# Altium PCB 4G_V4.2_5X4.PcbDoc (part 1 of 5) (continued)
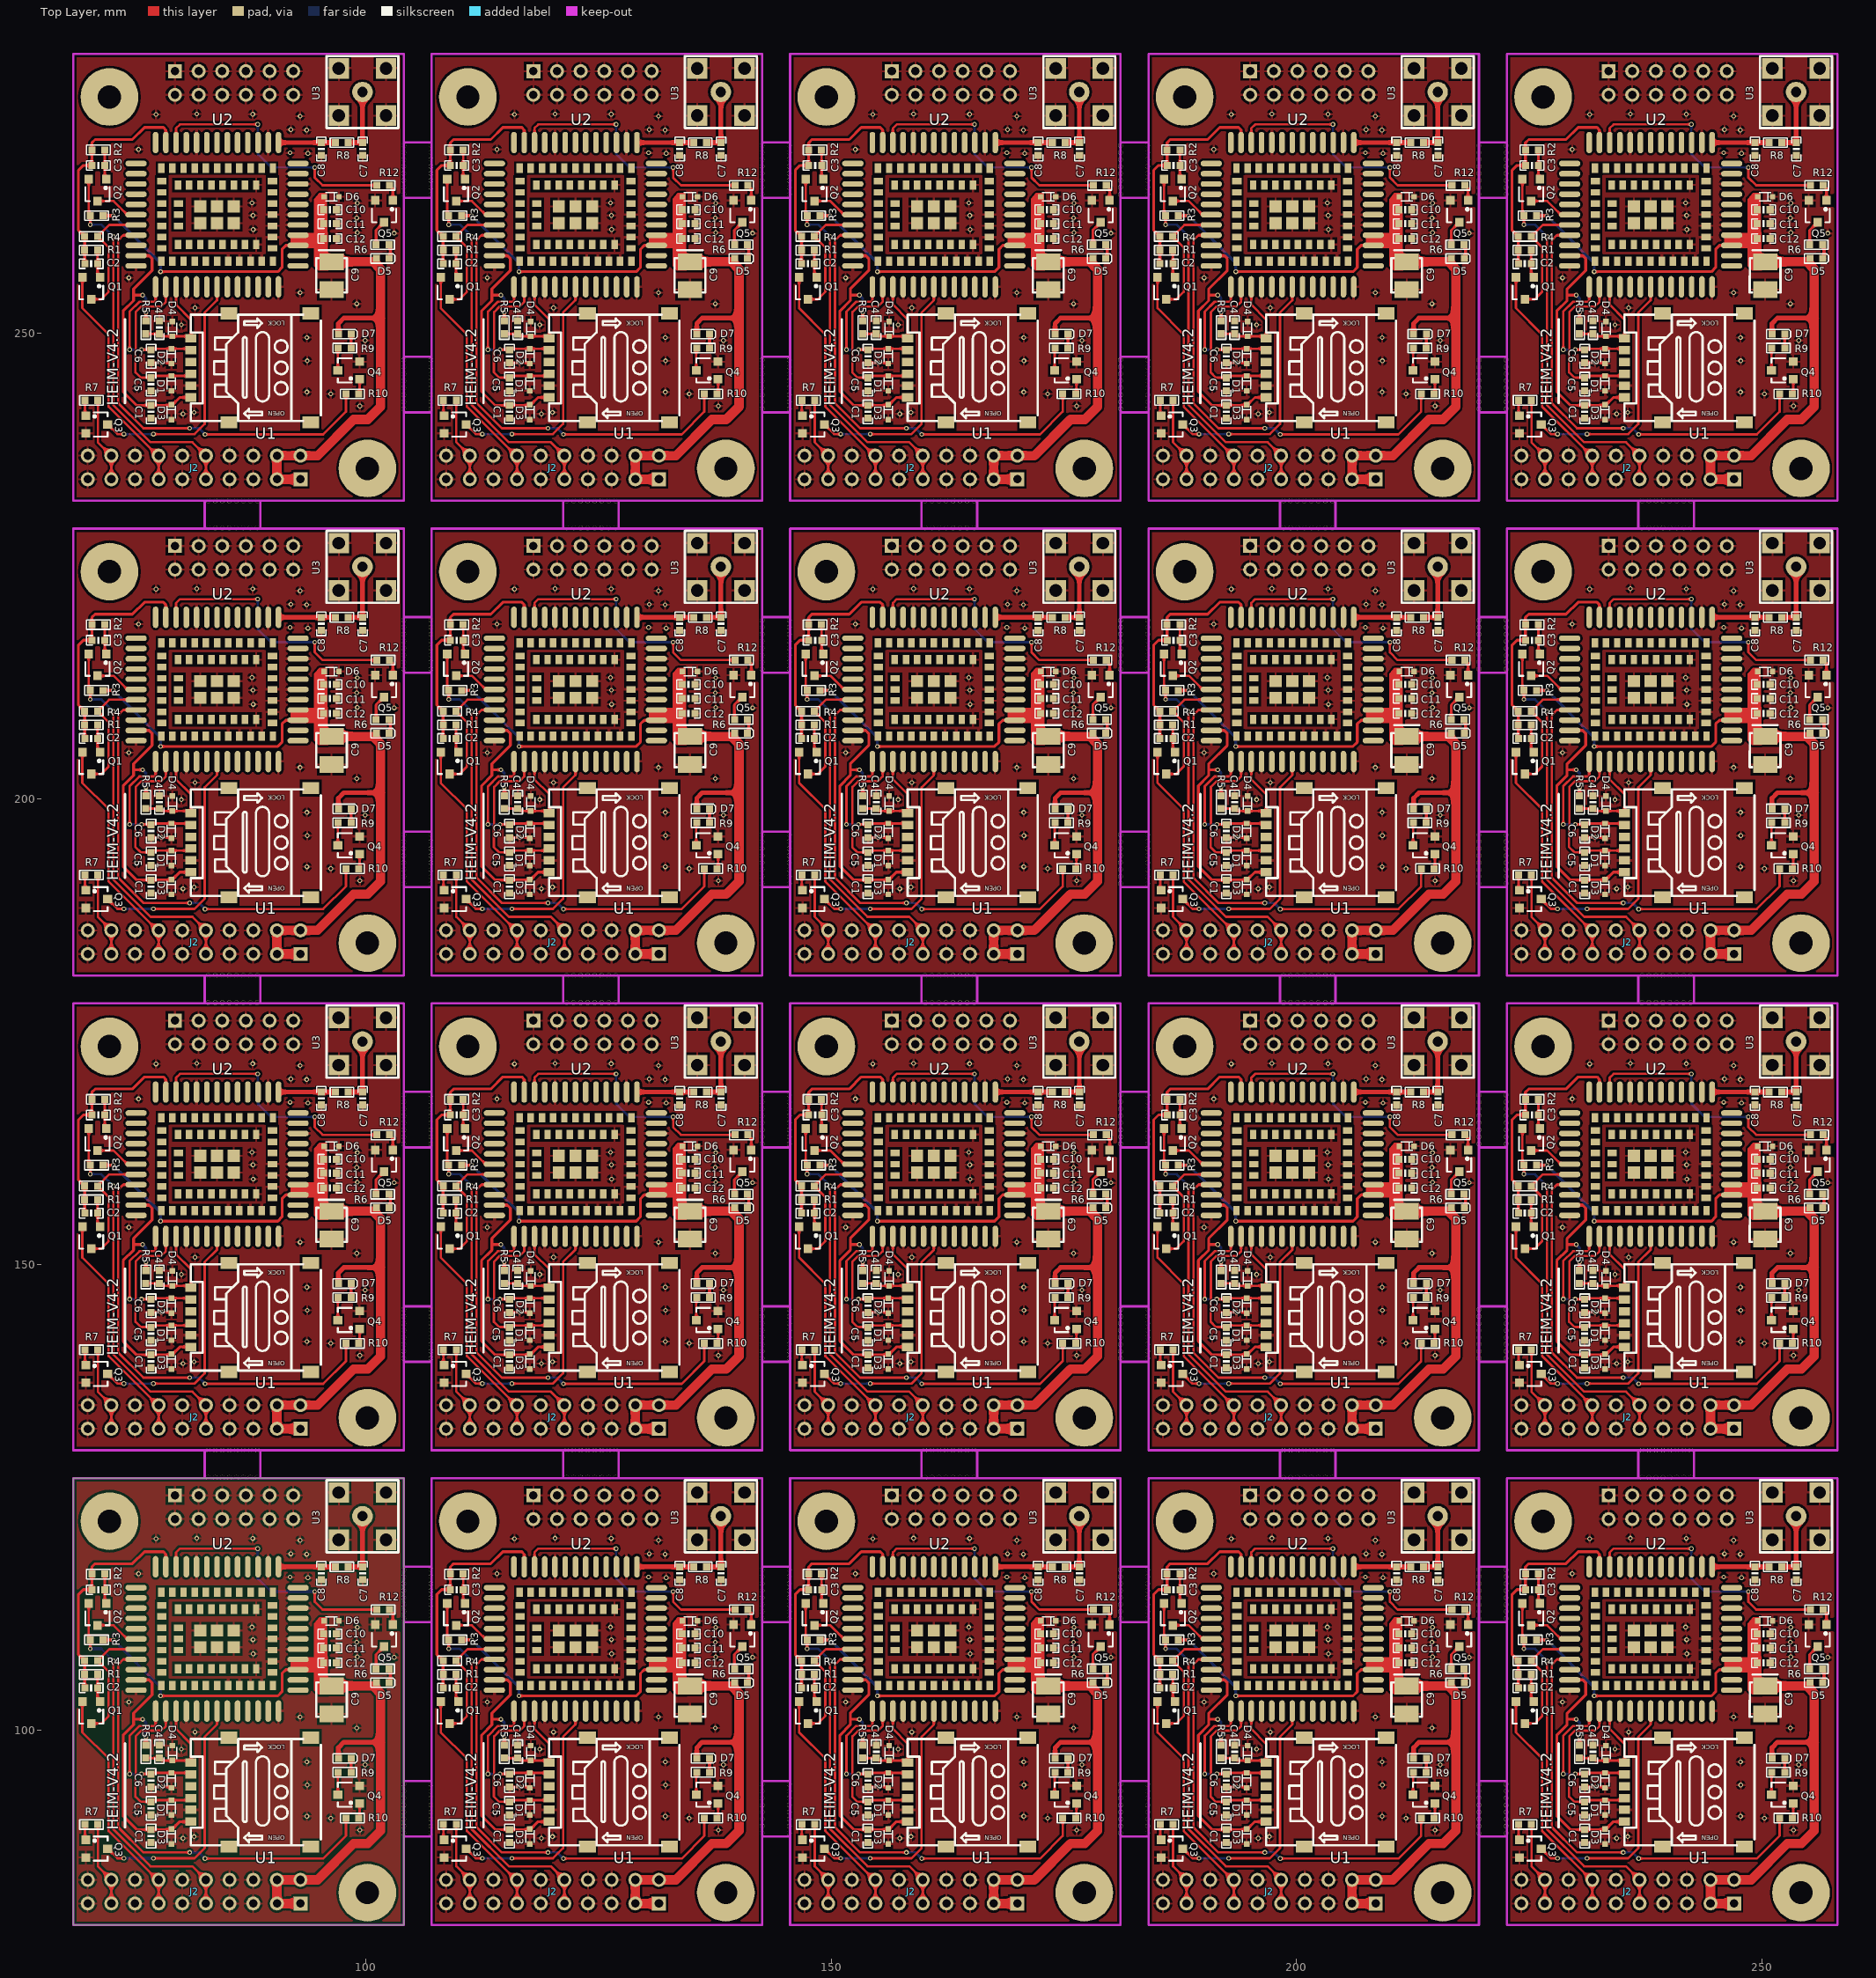
[diagram p0: Top Layer view]
## Components (designator, comment, footprint, x,y, rotation, side; value= is the part's Value field where it differs from the comment) (continued)
D2 "PESDNC5D5VB" SOD-523 79.121,94.566 r270 top
D3 "PESDNC5D5VB" SOD-523 233.121,241.546 r270 top
D3 "PESDNC5D5VB" SOD-523 233.121,190.546 r270 top
D3 "PESDNC5D5VB" SOD-523 233.121,139.546 r270 top
D3 "PESDNC5D5VB" SOD-523 233.121,88.546 r270 top
D3 "PESDNC5D5VB" SOD-523 194.621,241.546 r270 top
D3 "PESDNC5D5VB" SOD-523 194.621,190.546 r270 top
D3 "PESDNC5D5VB" SOD-523 194.621,139.546 r270 top
D3 "PESDNC5D5VB" SOD-523 194.621,88.546 r270 top
D3 "PESDNC5D5VB" SOD-523 156.121,241.546 r270 top
D3 "PESDNC5D5VB" SOD-523 156.121,190.546 r270 top
D3 "PESDNC5D5VB" SOD-523 156.121,139.546 r270 top
D3 "PESDNC5D5VB" SOD-523 156.121,88.546 r270 top
D3 "PESDNC5D5VB" SOD-523 117.621,241.546 r270 top
D3 "PESDNC5D5VB" SOD-523 117.621,190.546 r270 top
D3 "PESDNC5D5VB" SOD-523 117.621,139.546 r270 top
D3 "PESDNC5D5VB" SOD-523 117.621,88.546 r270 top
D3 "PESDNC5D5VB" SOD-523 79.121,241.546 r270 top
D3 "PESDNC5D5VB" SOD-523 79.121,190.546 r270 top
D3 "PESDNC5D5VB" SOD-523 79.121,139.546 r270 top
D3 "PESDNC5D5VB" SOD-523 79.121,88.546 r270 top
D4 "PESDNC5D5VB" SOD-523 233.223,250.503 r90 top
D4 "PESDNC5D5VB" SOD-523 233.223,199.503 r90 top
D4 "PESDNC5D5VB" SOD-523 233.223,148.503 r90 top
D4 "PESDNC5D5VB" SOD-523 233.223,97.503 r90 top
D4 "PESDNC5D5VB" SOD-523 194.723,250.503 r90 top
D4 "PESDNC5D5VB" SOD-523 194.723,199.503 r90 top
D4 "PESDNC5D5VB" SOD-523 194.723,148.503 r90 top
D4 "PESDNC5D5VB" SOD-523 194.723,97.503 r90 top
D4 "PESDNC5D5VB" SOD-523 156.223,250.503 r90 top
D4 "PESDNC5D5VB" SOD-523 156.223,199.503 r90 top
D4 "PESDNC5D5VB" SOD-523 156.223,148.503 r90 top
D4 "PESDNC5D5VB" SOD-523 156.223,97.503 r90 top
D4 "PESDNC5D5VB" SOD-523 117.723,250.503 r90 top
D4 "PESDNC5D5VB" SOD-523 117.723,199.503 r90 top
D4 "PESDNC5D5VB" SOD-523 117.723,148.503 r90 top
D4 "PESDNC5D5VB" SOD-523 117.723,97.503 r90 top
D4 "PESDNC5D5VB" SOD-523 79.223,250.503 r90 top
D4 "PESDNC5D5VB" SOD-523 79.223,199.503 r90 top
D4 "PESDNC5D5VB" SOD-523 79.223,148.503 r90 top
D4 "PESDNC5D5VB" SOD-523 79.223,97.503 r90 top
D5 "绿色" 0603_D 255.803,258.064 r0 top
D5 "绿色" 0603_D 255.803,207.064 r0 top
D5 "绿色" 0603_D 255.803,156.064 r0 top
D5 "绿色" 0603_D 255.803,105.064 r0 top
D5 "绿色" 0603_D 217.303,258.064 r0 top
D5 "绿色" 0603_D 217.303,207.064 r0 top
D5 "绿色" 0603_D 217.303,156.064 r0 top
D5 "绿色" 0603_D 217.303,105.064 r0 top
D5 "绿色" 0603_D 178.803,258.064 r0 top
D5 "绿色" 0603_D 178.803,207.064 r0 top
D5 "绿色" 0603_D 178.803,156.064 r0 top
D5 "绿色" 0603_D 178.803,105.064 r0 top
D5 "绿色" 0603_D 140.303,258.064 r0 top
D5 "绿色" 0603_D 140.303,207.064 r0 top
D5 "绿色" 0603_D 140.303,156.064 r0 top
D5 "绿色" 0603_D 140.303,105.064 r0 top
D5 "绿色" 0603_D 101.803,258.064 r0 top
D5 "绿色" 0603_D 101.803,207.064 r0 top
D5 "绿色" 0603_D 101.803,156.064 r0 top
D5 "绿色" 0603_D 101.803,105.064 r0 top
D6 "PESDNC5D5VB" SOD-523 250.317,264.693 r180 top
D6 "PESDNC5D5VB" SOD-523 250.317,213.693 r180 top
D6 "PESDNC5D5VB" SOD-523 250.317,162.693 r180 top
D6 "PESDNC5D5VB" SOD-523 250.317,111.693 r180 top
D6 "PESDNC5D5VB" SOD-523 211.817,264.693 r180 top
D6 "PESDNC5D5VB" SOD-523 211.817,213.693 r180 top
D6 "PESDNC5D5VB" SOD-523 211.817,162.693 r180 top
D6 "PESDNC5D5VB" SOD-523 211.817,111.693 r180 top
D6 "PESDNC5D5VB" SOD-523 173.317,264.693 r180 top
D6 "PESDNC5D5VB" SOD-523 173.317,213.693 r180 top
D6 "PESDNC5D5VB" SOD-523 173.317,162.693 r180 top
D6 "PESDNC5D5VB" SOD-523 173.317,111.693 r180 top
D6 "PESDNC5D5VB" SOD-523 134.817,264.693 r180 top
D6 "PESDNC5D5VB" SOD-523 134.817,213.693 r180 top
D6 "PESDNC5D5VB" SOD-523 134.817,162.693 r180 top
D6 "PESDNC5D5VB" SOD-523 134.817,111.693 r180 top
D6 "PESDNC5D5VB" SOD-523 96.317,264.693 r180 top
D6 "PESDNC5D5VB" SOD-523 96.317,213.693 r180 top
D6 "PESDNC5D5VB" SOD-523 96.317,162.693 r180 top
D6 "PESDNC5D5VB" SOD-523 96.317,111.693 r180 top
D7 "白色" 0603_D 251.739,249.936 r0 top
D7 "白色" 0603_D 251.739,198.936 r0 top
D7 "白色" 0603_D 251.739,147.936 r0 top
D7 "白色" 0603_D 251.739,96.936 r0 top
D7 "白色" 0603_D 213.239,249.936 r0 top
D7 "白色" 0603_D 213.239,198.936 r0 top
D7 "白色" 0603_D 213.239,147.936 r0 top
D7 "白色" 0603_D 213.239,96.936 r0 top
D7 "白色" 0603_D 174.739,249.936 r0 top
D7 "白色" 0603_D 174.739,198.936 r0 top
D7 "白色" 0603_D 174.739,147.936 r0 top
D7 "白色" 0603_D 174.739,96.936 r0 top
D7 "白色" 0603_D 136.239,249.936 r0 top
D7 "白色" 0603_D 136.239,198.936 r0 top
D7 "白色" 0603_D 136.239,147.936 r0 top
D7 "白色" 0603_D 136.239,96.936 r0 top
D7 "白色" 0603_D 97.739,249.936 r0 top
D7 "白色" 0603_D 97.739,198.936 r0 top
D7 "白色" 0603_D 97.739,147.936 r0 top
D7 "白色" 0603_D 97.739,96.936 r0 top
J1 "Header 6X2A" HDR2X6_CEN 233.502,278.181 r0 bottom locked
J1 "Header 6X2A" HDR2X6_CEN 233.502,227.181 r0 bottom locked
J1 "Header 6X2A" HDR2X6_CEN 233.502,176.181 r0 bottom locked
J1 "Header 6X2A" HDR2X6_CEN 233.502,125.181 r0 bottom locked
J1 "Header 6X2A" HDR2X6_CEN 195.002,278.181 r0 bottom locked
J1 "Header 6X2A" HDR2X6_CEN 195.002,227.181 r0 bottom locked
J1 "Header 6X2A" HDR2X6_CEN 195.002,176.181 r0 bottom locked
J1 "Header 6X2A" HDR2X6_CEN 195.002,125.181 r0 bottom locked
J1 "Header 6X2A" HDR2X6_CEN 156.502,278.181 r0 bottom locked
J1 "Header 6X2A" HDR2X6_CEN 156.502,227.181 r0 bottom locked
J1 "Header 6X2A" HDR2X6_CEN 156.502,176.181 r0 bottom locked
J1 "Header 6X2A" HDR2X6_CEN 156.502,125.181 r0 bottom locked
J1 "Header 6X2A" HDR2X6_CEN 118.002,278.181 r0 bottom locked
J1 "Header 6X2A" HDR2X6_CEN 118.002,227.181 r0 bottom locked
J1 "Header 6X2A" HDR2X6_CEN 118.002,176.181 r0 bottom locked
J1 "Header 6X2A" HDR2X6_CEN 118.002,125.181 r0 bottom locked
J1 "Header 6X2A" HDR2X6_CEN 79.502,278.181 r0 bottom locked
J1 "Header 6X2A" HDR2X6_CEN 79.502,227.181 r0 bottom locked
J1 "Header 6X2A" HDR2X6_CEN 79.502,176.181 r0 bottom locked
J1 "Header 6X2A" HDR2X6_CEN 79.502,125.181 r0 bottom locked
J2 "Header 10X2A" HDR2X10_CEN 246.989,234.34 r180 top locked
J2 "Header 10X2A" HDR2X10_CEN 246.989,183.34 r180 top locked
J2 "Header 10X2A" HDR2X10_CEN 246.989,132.34 r180 top locked
J2 "Header 10X2A" HDR2X10_CEN 246.989,81.34 r180 top locked
J2 "Header 10X2A" HDR2X10_CEN 208.489,234.34 r180 top locked
J2 "Header 10X2A" HDR2X10_CEN 208.489,183.34 r180 top locked
J2 "Header 10X2A" HDR2X10_CEN 208.489,132.34 r180 top locked
J2 "Header 10X2A" HDR2X10_CEN 208.489,81.34 r180 top locked
J2 "Header 10X2A" HDR2X10_CEN 169.989,234.34 r180 top locked
J2 "Header 10X2A" HDR2X10_CEN 169.989,183.34 r180 top locked
J2 "Header 10X2A" HDR2X10_CEN 169.989,132.34 r180 top locked
J2 "Header 10X2A" HDR2X10_CEN 169.989,81.34 r180 top locked
J2 "Header 10X2A" HDR2X10_CEN 131.489,234.34 r180 top locked
J2 "Header 10X2A" HDR2X10_CEN 131.489,183.34 r180 top locked
J2 "Header 10X2A" HDR2X10_CEN 131.489,132.34 r180 top locked
J2 "Header 10X2A" HDR2X10_CEN 131.489,81.34 r180 top locked
J2 "Header 10X2A" HDR2X10_CEN 92.989,234.34 r180 top locked
J2 "Header 10X2A" HDR2X10_CEN 92.989,183.34 r180 top locked
J2 "Header 10X2A" HDR2X10_CEN 92.989,132.34 r180 top locked
J2 "Header 10X2A" HDR2X10_CEN 92.989,81.34 r180 top locked
Q1 "BC817-40" SOT-23-3 224.5,254.857 r180 top
Q1 "BC817-40" SOT-23-3 224.5,203.857 r180 top
Q1 "BC817-40" SOT-23-3 224.5,152.857 r180 top
Q1 "BC817-40" SOT-23-3 224.5,101.857 r180 top
Q1 "BC817-40" SOT-23-3 186,254.857 r180 top
Q1 "BC817-40" SOT-23-3 186,203.857 r180 top
Q1 "BC817-40" SOT-23-3 186,152.857 r180 top
Q1 "BC817-40" SOT-23-3 186,101.857 r180 top
Q1 "BC817-40" SOT-23-3 147.5,254.857 r180 top
Q1 "BC817-40" SOT-23-3 147.5,203.857 r180 top
Q1 "BC817-40" SOT-23-3 147.5,152.857 r180 top
Q1 "BC817-40" SOT-23-3 147.5,101.857 r180 top
Q1 "BC817-40" SOT-23-3 109,254.857 r180 top
Q1 "BC817-40" SOT-23-3 109,203.857 r180 top
Q1 "BC817-40" SOT-23-3 109,152.857 r180 top
Q1 "BC817-40" SOT-23-3 109,101.857 r180 top
Q1 "BC817-40" SOT-23-3 70.5,254.857 r180 top
Q1 "BC817-40" SOT-23-3 70.5,203.857 r180 top
Q1 "BC817-40" SOT-23-3 70.5,152.857 r180 top
Q1 "BC817-40" SOT-23-3 70.5,101.857 r180 top
Q2 "BC817-40" SOT-23-3 225.196,265.405 r180 top
Q2 "BC817-40" SOT-23-3 225.196,214.405 r180 top
Q2 "BC817-40" SOT-23-3 225.196,163.405 r180 top
Q2 "BC817-40" SOT-23-3 225.196,112.405 r180 top
Q2 "BC817-40" SOT-23-3 186.696,265.405 r180 top
Q2 "BC817-40" SOT-23-3 186.696,214.405 r180 top
Q2 "BC817-40" SOT-23-3 186.696,163.405 r180 top
Q2 "BC817-40" SOT-23-3 186.696,112.405 r180 top
Q2 "BC817-40" SOT-23-3 148.196,265.405 r180 top
Q2 "BC817-40" SOT-23-3 148.196,214.405 r180 top
Q2 "BC817-40" SOT-23-3 148.196,163.405 r180 top
Q2 "BC817-40" SOT-23-3 148.196,112.405 r180 top
Q2 "BC817-40" SOT-23-3 109.696,265.405 r180 top
Q2 "BC817-40" SOT-23-3 109.696,214.405 r180 top
Q2 "BC817-40" SOT-23-3 109.696,163.405 r180 top
Q2 "BC817-40" SOT-23-3 109.696,112.405 r180 top
Q2 "BC817-40" SOT-23-3 71.196,265.405 r180 top
Q2 "BC817-40" SOT-23-3 71.196,214.405 r180 top
Q2 "BC817-40" SOT-23-3 71.196,163.405 r180 top
Q2 "BC817-40" SOT-23-3 71.196,112.405 r180 top
Q3 "BC817-40" SOT-23-3 225.095,240.233 r270 top
Q3 "BC817-40" SOT-23-3 225.095,189.233 r270 top
Q3 "BC817-40" SOT-23-3 225.095,138.233 r270 top
Q3 "BC817-40" SOT-23-3 225.095,87.233 r270 top
Q3 "BC817-40" SOT-23-3 186.595,240.233 r270 top
Q3 "BC817-40" SOT-23-3 186.595,189.233 r270 top
Q3 "BC817-40" SOT-23-3 186.595,138.233 r270 top
Q3 "BC817-40" SOT-23-3 186.595,87.233 r270 top
Q3 "BC817-40" SOT-23-3 148.095,240.233 r270 top
Q3 "BC817-40" SOT-23-3 148.095,189.233 r270 top
Q3 "BC817-40" SOT-23-3 148.095,138.233 r270 top
Q3 "BC817-40" SOT-23-3 148.095,87.233 r270 top
Q3 "BC817-40" SOT-23-3 109.595,240.233 r270 top
Q3 "BC817-40" SOT-23-3 109.595,189.233 r270 top
Q3 "BC817-40" SOT-23-3 109.595,138.233 r270 top
Q3 "BC817-40" SOT-23-3 109.595,87.233 r270 top
Q3 "BC817-40" SOT-23-3 71.095,240.233 r270 top
Q3 "BC817-40" SOT-23-3 71.095,189.233 r270 top
Q3 "BC817-40" SOT-23-3 71.095,138.233 r270 top
Q3 "BC817-40" SOT-23-3 71.095,87.233 r270 top
Q4 "BC817-40" SOT-23-3 252.171,246.024 r90 top
Q4 "BC817-40" SOT-23-3 252.171,195.024 r90 top
Q4 "BC817-40" SOT-23-3 252.171,144.024 r90 top
Q4 "BC817-40" SOT-23-3 252.171,93.024 r90 top
Q4 "BC817-40" SOT-23-3 213.671,246.024 r90 top
Q4 "BC817-40" SOT-23-3 213.671,195.024 r90 top
Q4 "BC817-40" SOT-23-3 213.671,144.024 r90 top
Q4 "BC817-40" SOT-23-3 213.671,93.024 r90 top
Q4 "BC817-40" SOT-23-3 175.171,246.024 r90 top
Q4 "BC817-40" SOT-23-3 175.171,195.024 r90 top
Q4 "BC817-40" SOT-23-3 175.171,144.024 r90 top
Q4 "BC817-40" SOT-23-3 175.171,93.024 r90 top
Q4 "BC817-40" SOT-23-3 136.671,246.024 r90 top
Q4 "BC817-40" SOT-23-3 136.671,195.024 r90 top
Q4 "BC817-40" SOT-23-3 136.671,144.024 r90 top
Q4 "BC817-40" SOT-23-3 136.671,93.024 r90 top
Q4 "BC817-40" SOT-23-3 98.171,246.024 r90 top
Q4 "BC817-40" SOT-23-3 98.171,195.024 r90 top
Q4 "BC817-40" SOT-23-3 98.171,144.024 r90 top
Q4 "BC817-40" SOT-23-3 98.171,93.024 r90 top
Q5 "BC817-40" SOT-23-3 255.956,263.119 r180 top
Q5 "BC817-40" SOT-23-3 255.956,212.119 r180 top
Q5 "BC817-40" SOT-23-3 255.956,161.119 r180 top
Q5 "BC817-40" SOT-23-3 255.956,110.119 r180 top
Q5 "BC817-40" SOT-23-3 217.456,263.119 r180 top
Q5 "BC817-40" SOT-23-3 217.456,212.119 r180 top
Q5 "BC817-40" SOT-23-3 217.456,161.119 r180 top
Q5 "BC817-40" SOT-23-3 217.456,110.119 r180 top
Q5 "BC817-40" SOT-23-3 178.956,263.119 r180 top
Q5 "BC817-40" SOT-23-3 178.956,212.119 r180 top
Q5 "BC817-40" SOT-23-3 178.956,161.119 r180 top
Q5 "BC817-40" SOT-23-3 178.956,110.119 r180 top
Q5 "BC817-40" SOT-23-3 140.456,263.119 r180 top
Q5 "BC817-40" SOT-23-3 140.456,212.119 r180 top
Q5 "BC817-40" SOT-23-3 140.456,161.119 r180 top
Q5 "BC817-40" SOT-23-3 140.456,110.119 r180 top
Q5 "BC817-40" SOT-23-3 101.956,263.119 r180 top
Q5 "BC817-40" SOT-23-3 101.956,212.119 r180 top
Q5 "BC817-40" SOT-23-3 101.956,161.119 r180 top
Q5 "BC817-40" SOT-23-3 101.956,110.119 r180 top
R1 "4.7KΩ/1%" 0603_R 224.5,258.946 r180 top
R1 "4.7KΩ/1%" 0603_R 224.5,207.946 r180 top
R1 "4.7KΩ/1%" 0603_R 224.5,156.946 r180 top
R1 "4.7KΩ/1%" 0603_R 224.5,105.946 r180 top
R1 "4.7KΩ/1%" 0603_R 186,258.946 r180 top
R1 "4.7KΩ/1%" 0603_R 186,207.946 r180 top
R1 "4.7KΩ/1%" 0603_R 186,156.946 r180 top
R1 "4.7KΩ/1%" 0603_R 186,105.946 r180 top
R1 "4.7KΩ/1%" 0603_R 147.5,258.946 r180 top
R1 "4.7KΩ/1%" 0603_R 147.5,207.946 r180 top
R1 "4.7KΩ/1%" 0603_R 147.5,156.946 r180 top
R1 "4.7KΩ/1%" 0603_R 147.5,105.946 r180 top
R1 "4.7KΩ/1%" 0603_R 109,258.946 r180 top
R1 "4.7KΩ/1%" 0603_R 109,207.946 r180 top
R1 "4.7KΩ/1%" 0603_R 109,156.946 r180 top
R1 "4.7KΩ/1%" 0603_R 109,105.946 r180 top
R1 "4.7KΩ/1%" 0603_R 70.5,258.946 r180 top
R1 "4.7KΩ/1%" 0603_R 70.5,207.946 r180 top
R1 "4.7KΩ/1%" 0603_R 70.5,156.946 r180 top
R1 "4.7KΩ/1%" 0603_R 70.5,105.946 r180 top
R2 "4.7KΩ/1%" 0603_R 225.272,269.723 r180 top
R2 "4.7KΩ/1%" 0603_R 225.272,218.723 r180 top
R2 "4.7KΩ/1%" 0603_R 225.272,167.723 r180 top
R2 "4.7KΩ/1%" 0603_R 225.272,116.723 r180 top
R2 "4.7KΩ/1%" 0603_R 186.772,269.723 r180 top
R2 "4.7KΩ/1%" 0603_R 186.772,218.723 r180 top
R2 "4.7KΩ/1%" 0603_R 186.772,167.723 r180 top
R2 "4.7KΩ/1%" 0603_R 186.772,116.723 r180 top
R2 "4.7KΩ/1%" 0603_R 148.272,269.723 r180 top
R2 "4.7KΩ/1%" 0603_R 148.272,218.723 r180 top
R2 "4.7KΩ/1%" 0603_R 148.272,167.723 r180 top
R2 "4.7KΩ/1%" 0603_R 148.272,116.723 r180 top
R2 "4.7KΩ/1%" 0603_R 109.772,269.723 r180 top
R2 "4.7KΩ/1%" 0603_R 109.772,218.723 r180 top
R2 "4.7KΩ/1%" 0603_R 109.772,167.723 r180 top
R2 "4.7KΩ/1%" 0603_R 109.772,116.723 r180 top
R2 "4.7KΩ/1%" 0603_R 71.272,269.723 r180 top
R2 "4.7KΩ/1%" 0603_R 71.272,218.723 r180 top
R2 "4.7KΩ/1%" 0603_R 71.272,167.723 r180 top
R2 "4.7KΩ/1%" 0603_R 71.272,116.723 r180 top
R3 "10KΩ/1%" 0603_R 225.095,262.661 r0 top
R3 "10KΩ/1%" 0603_R 225.095,211.661 r0 top
R3 "10KΩ/1%" 0603_R 225.095,160.661 r0 top
R3 "10KΩ/1%" 0603_R 225.095,109.661 r0 top
R3 "10KΩ/1%" 0603_R 186.595,262.661 r0 top
R3 "10KΩ/1%" 0603_R 186.595,211.661 r0 top
R3 "10KΩ/1%" 0603_R 186.595,160.661 r0 top
R3 "10KΩ/1%" 0603_R 186.595,109.661 r0 top
R3 "10KΩ/1%" 0603_R 148.095,262.661 r0 top
R3 "10KΩ/1%" 0603_R 148.095,211.661 r0 top
R3 "10KΩ/1%" 0603_R 148.095,160.661 r0 top
R3 "10KΩ/1%" 0603_R 148.095,109.661 r0 top
R3 "10KΩ/1%" 0603_R 109.595,262.661 r0 top
R3 "10KΩ/1%" 0603_R 109.595,211.661 r0 top
R3 "10KΩ/1%" 0603_R 109.595,160.661 r0 top
R3 "10KΩ/1%" 0603_R 109.595,109.661 r0 top
R3 "10KΩ/1%" 0603_R 71.095,262.661 r0 top
R3 "10KΩ/1%" 0603_R 71.095,211.661 r0 top
R3 "10KΩ/1%" 0603_R 71.095,160.661 r0 top
R3 "10KΩ/1%" 0603_R 71.095,109.661 r0 top
R4 "10KΩ/1%" 0603_R 224.5,260.42 r180 top
R4 "10KΩ/1%" 0603_R 224.5,209.42 r180 top
R4 "10KΩ/1%" 0603_R 224.5,158.42 r180 top
R4 "10KΩ/1%" 0603_R 224.5,107.42 r180 top
R4 "10KΩ/1%" 0603_R 186,260.42 r180 top
R4 "10KΩ/1%" 0603_R 186,209.42 r180 top
R4 "10KΩ/1%" 0603_R 186,158.42 r180 top
R4 "10KΩ/1%" 0603_R 186,107.42 r180 top
R4 "10KΩ/1%" 0603_R 147.5,260.42 r180 top
R4 "10KΩ/1%" 0603_R 147.5,209.42 r180 top
R4 "10KΩ/1%" 0603_R 147.5,158.42 r180 top
R4 "10KΩ/1%" 0603_R 147.5,107.42 r180 top
R4 "10KΩ/1%" 0603_R 109,260.42 r180 top
R4 "10KΩ/1%" 0603_R 109,209.42 r180 top
R4 "10KΩ/1%" 0603_R 109,158.42 r180 top
R4 "10KΩ/1%" 0603_R 109,107.42 r180 top
R4 "10KΩ/1%" 0603_R 70.5,260.42 r180 top
R4 "10KΩ/1%" 0603_R 70.5,209.42 r180 top
R4 "10KΩ/1%" 0603_R 70.5,158.42 r180 top
R4 "10KΩ/1%" 0603_R 70.5,107.42 r180 top
R5 "15K" 0603_R 230.378,250.647 r90 top
R5 "15K" 0603_R 230.378,199.647 r90 top
R5 "15K" 0603_R 230.378,148.647 r90 top
R5 "15K" 0603_R 230.378,97.647 r90 top
R5 "15K" 0603_R 191.878,250.647 r90 top
R5 "15K" 0603_R 191.878,199.647 r90 top
R5 "15K" 0603_R 191.878,148.647 r90 top
R5 "15K" 0603_R 191.878,97.647 r90 top
R5 "15K" 0603_R 153.378,250.647 r90 top
R5 "15K" 0603_R 153.378,199.647 r90 top
R5 "15K" 0603_R 153.378,148.647 r90 top
R5 "15K" 0603_R 153.378,97.647 r90 top
R5 "15K" 0603_R 114.878,250.647 r90 top
R5 "15K" 0603_R 114.878,199.647 r90 top
R5 "15K" 0603_R 114.878,148.647 r90 top
R5 "15K" 0603_R 114.878,97.647 r90 top
R5 "15K" 0603_R 76.378,250.647 r90 top
R5 "15K" 0603_R 76.378,199.647 r90 top
R5 "15K" 0603_R 76.378,148.647 r90 top
R5 "15K" 0603_R 76.378,97.647 r90 top
R6 "2.2KΩ/1%" 0603_R 255.803,259.537 r180 top
R6 "2.2KΩ/1%" 0603_R 255.803,208.537 r180 top
R6 "2.2KΩ/1%" 0603_R 255.803,157.537 r180 top
R6 "2.2KΩ/1%" 0603_R 255.803,106.537 r180 top
R6 "2.2KΩ/1%" 0603_R 217.303,259.537 r180 top
R6 "2.2KΩ/1%" 0603_R 217.303,208.537 r180 top
R6 "2.2KΩ/1%" 0603_R 217.303,157.537 r180 top
R6 "2.2KΩ/1%" 0603_R 217.303,106.537 r180 top
R6 "2.2KΩ/1%" 0603_R 178.803,259.537 r180 top
R6 "2.2KΩ/1%" 0603_R 178.803,208.537 r180 top
R6 "2.2KΩ/1%" 0603_R 178.803,157.537 r180 top
R6 "2.2KΩ/1%" 0603_R 178.803,106.537 r180 top
R6 "2.2KΩ/1%" 0603_R 140.303,259.537 r180 top
R6 "2.2KΩ/1%" 0603_R 140.303,208.537 r180 top
R6 "2.2KΩ/1%" 0603_R 140.303,157.537 r180 top
R6 "2.2KΩ/1%" 0603_R 140.303,106.537 r180 top
R6 "2.2KΩ/1%" 0603_R 101.803,259.537 r180 top
R6 "2.2KΩ/1%" 0603_R 101.803,208.537 r180 top
R6 "2.2KΩ/1%" 0603_R 101.803,157.537 r180 top
R6 "2.2KΩ/1%" 0603_R 101.803,106.537 r180 top
R7 "4.7KΩ/1%" 0603_R 224.536,242.824 r180 top
R7 "4.7KΩ/1%" 0603_R 224.536,191.824 r180 top
R7 "4.7KΩ/1%" 0603_R 224.536,140.824 r180 top
R7 "4.7KΩ/1%" 0603_R 224.536,89.824 r180 top
R7 "4.7KΩ/1%" 0603_R 186.036,242.824 r180 top
R7 "4.7KΩ/1%" 0603_R 186.036,191.824 r180 top
R7 "4.7KΩ/1%" 0603_R 186.036,140.824 r180 top
R7 "4.7KΩ/1%" 0603_R 186.036,89.824 r180 top
R7 "4.7KΩ/1%" 0603_R 147.536,242.824 r180 top
R7 "4.7KΩ/1%" 0603_R 147.536,191.824 r180 top
R7 "4.7KΩ/1%" 0603_R 147.536,140.824 r180 top
R7 "4.7KΩ/1%" 0603_R 147.536,89.824 r180 top
R7 "4.7KΩ/1%" 0603_R 109.036,242.824 r180 top
R7 "4.7KΩ/1%" 0603_R 109.036,191.824 r180 top
R7 "4.7KΩ/1%" 0603_R 109.036,140.824 r180 top
R7 "4.7KΩ/1%" 0603_R 109.036,89.824 r180 top
R7 "4.7KΩ/1%" 0603_R 70.536,242.824 r180 top
R7 "4.7KΩ/1%" 0603_R 70.536,191.824 r180 top
R7 "4.7KΩ/1%" 0603_R 70.536,140.824 r180 top
R7 "4.7KΩ/1%" 0603_R 70.536,89.824 r180 top
R8 "0Ω" 0603_R 251.434,270.508 r180 top
R8 "0Ω" 0603_R 251.434,219.508 r180 top
R8 "0Ω" 0603_R 251.434,168.508 r180 top
R8 "0Ω" 0603_R 251.434,117.508 r180 top
R8 "0Ω" 0603_R 212.934,270.508 r180 top
R8 "0Ω" 0603_R 212.934,219.508 r180 top
R8 "0Ω" 0603_R 212.934,168.508 r180 top
R8 "0Ω" 0603_R 212.934,117.508 r180 top
R8 "0Ω" 0603_R 174.434,270.508 r180 top
R8 "0Ω" 0603_R 174.434,219.508 r180 top
R8 "0Ω" 0603_R 174.434,168.508 r180 top
R8 "0Ω" 0603_R 174.434,117.508 r180 top
R8 "0Ω" 0603_R 135.934,270.508 r180 top
R8 "0Ω" 0603_R 135.934,219.508 r180 top
R8 "0Ω" 0603_R 135.934,168.508 r180 top
R8 "0Ω" 0603_R 135.934,117.508 r180 top
R8 "0Ω" 0603_R 97.434,270.508 r180 top
R8 "0Ω" 0603_R 97.434,219.508 r180 top
R8 "0Ω" 0603_R 97.434,168.508 r180 top
R8 "0Ω" 0603_R 97.434,117.508 r180 top
R9 "2.2KΩ/1%" 0603_R 251.739,248.437 r180 top
R9 "2.2KΩ/1%" 0603_R 251.739,197.437 r180 top
R9 "2.2KΩ/1%" 0603_R 251.739,146.437 r180 top
R9 "2.2KΩ/1%" 0603_R 251.739,95.437 r180 top
R9 "2.2KΩ/1%" 0603_R 213.239,248.437 r180 top
R9 "2.2KΩ/1%" 0603_R 213.239,197.437 r180 top
R9 "2.2KΩ/1%" 0603_R 213.239,146.437 r180 top
R9 "2.2KΩ/1%" 0603_R 213.239,95.437 r180 top
R9 "2.2KΩ/1%" 0603_R 174.739,248.437 r180 top
R9 "2.2KΩ/1%" 0603_R 174.739,197.437 r180 top
R9 "2.2KΩ/1%" 0603_R 174.739,146.437 r180 top
R9 "2.2KΩ/1%" 0603_R 174.739,95.437 r180 top
R9 "2.2KΩ/1%" 0603_R 136.239,248.437 r180 top
R9 "2.2KΩ/1%" 0603_R 136.239,197.437 r180 top
R9 "2.2KΩ/1%" 0603_R 136.239,146.437 r180 top
R9 "2.2KΩ/1%" 0603_R 136.239,95.437 r180 top
R9 "2.2KΩ/1%" 0603_R 97.739,248.437 r180 top
R9 "2.2KΩ/1%" 0603_R 97.739,197.437 r180 top
R9 "2.2KΩ/1%" 0603_R 97.739,146.437 r180 top
R9 "2.2KΩ/1%" 0603_R 97.739,95.437 r180 top
R10 "4.7KΩ/1%" 0603_R 252.552,243.51 r0 top
R10 "4.7KΩ/1%" 0603_R 252.552,192.51 r0 top
R10 "4.7KΩ/1%" 0603_R 252.552,141.51 r0 top
R10 "4.7KΩ/1%" 0603_R 252.552,90.51 r0 top
R10 "4.7KΩ/1%" 0603_R 214.052,243.51 r0 top
R10 "4.7KΩ/1%" 0603_R 214.052,192.51 r0 top
R10 "4.7KΩ/1%" 0603_R 214.052,141.51 r0 top
R10 "4.7KΩ/1%" 0603_R 214.052,90.51 r0 top
R10 "4.7KΩ/1%" 0603_R 175.552,243.51 r0 top
R10 "4.7KΩ/1%" 0603_R 175.552,192.51 r0 top
R10 "4.7KΩ/1%" 0603_R 175.552,141.51 r0 top
R10 "4.7KΩ/1%" 0603_R 175.552,90.51 r0 top
R10 "4.7KΩ/1%" 0603_R 137.052,243.51 r0 top
R10 "4.7KΩ/1%" 0603_R 137.052,192.51 r0 top
R10 "4.7KΩ/1%" 0603_R 137.052,141.51 r0 top
R10 "4.7KΩ/1%" 0603_R 137.052,90.51 r0 top
R10 "4.7KΩ/1%" 0603_R 98.552,243.51 r0 top
R10 "4.7KΩ/1%" 0603_R 98.552,192.51 r0 top
R10 "4.7KΩ/1%" 0603_R 98.552,141.51 r0 top
R10 "4.7KΩ/1%" 0603_R 98.552,90.51 r0 top
R12 "4.7KΩ/1%" 0603_R 255.854,265.913 r0 top
R12 "4.7KΩ/1%" 0603_R 255.854,214.913 r0 top
R12 "4.7KΩ/1%" 0603_R 255.854,163.913 r0 top
R12 "4.7KΩ/1%" 0603_R 255.854,112.913 r0 top
R12 "4.7KΩ/1%" 0603_R 217.354,265.913 r0 top
R12 "4.7KΩ/1%" 0603_R 217.354,214.913 r0 top
R12 "4.7KΩ/1%" 0603_R 217.354,163.913 r0 top
R12 "4.7KΩ/1%" 0603_R 217.354,112.913 r0 top
R12 "4.7KΩ/1%" 0603_R 178.854,265.913 r0 top
R12 "4.7KΩ/1%" 0603_R 178.854,214.913 r0 top
R12 "4.7KΩ/1%" 0603_R 178.854,163.913 r0 top
R12 "4.7KΩ/1%" 0603_R 178.854,112.913 r0 top
R12 "4.7KΩ/1%" 0603_R 140.354,265.913 r0 top
R12 "4.7KΩ/1%" 0603_R 140.354,214.913 r0 top
R12 "4.7KΩ/1%" 0603_R 140.354,163.913 r0 top
R12 "4.7KΩ/1%" 0603_R 140.354,112.913 r0 top
R12 "4.7KΩ/1%" 0603_R 101.854,265.913 r0 top
R12 "4.7KΩ/1%" 0603_R 101.854,214.913 r0 top
R12 "4.7KΩ/1%" 0603_R 101.854,163.913 r0 top
R12 "4.7KΩ/1%" 0603_R 101.854,112.913 r0 top
U1 "SIM卡座" SIM卡座-NANO掀盖式 241.655,246.304 r180 top
U1 "SIM卡座" SIM卡座-NANO掀盖式 241.655,195.304 r180 top
U1 "SIM卡座" SIM卡座-NANO掀盖式 241.655,144.304 r180 top
U1 "SIM卡座" SIM卡座-NANO掀盖式 241.655,93.304 r180 top
U1 "SIM卡座" SIM卡座-NANO掀盖式 203.155,246.304 r180 top
U1 "SIM卡座" SIM卡座-NANO掀盖式 203.155,195.304 r180 top
U1 "SIM卡座" SIM卡座-NANO掀盖式 203.155,144.304 r180 top
U1 "SIM卡座" SIM卡座-NANO掀盖式 203.155,93.304 r180 top
U1 "SIM卡座" SIM卡座-NANO掀盖式 164.655,246.304 r180 top
U1 "SIM卡座" SIM卡座-NANO掀盖式 164.655,195.304 r180 top
U1 "SIM卡座" SIM卡座-NANO掀盖式 164.655,144.304 r180 top
U1 "SIM卡座" SIM卡座-NANO掀盖式 164.655,93.304 r180 top
U1 "SIM卡座" SIM卡座-NANO掀盖式 126.155,246.304 r180 top
U1 "SIM卡座" SIM卡座-NANO掀盖式 126.155,195.304 r180 top
U1 "SIM卡座" SIM卡座-NANO掀盖式 126.155,144.304 r180 top
U1 "SIM卡座" SIM卡座-NANO掀盖式 126.155,93.304 r180 top
U1 "SIM卡座" SIM卡座-NANO掀盖式 87.655,246.304 r180 top
U1 "SIM卡座" SIM卡座-NANO掀盖式 87.655,195.304 r180 top
U1 "SIM卡座" SIM卡座-NANO掀盖式 87.655,144.304 r180 top
U1 "SIM卡座" SIM卡座-NANO掀盖式 87.655,93.304 r180 top
U2 "EC800E-CN" EC800E-CN 238.023,262.763 r270 top
U2 "EC800E-CN" EC800E-CN 238.023,211.763 r270 top
U2 "EC800E-CN" EC800E-CN 238.023,160.763 r270 top
U2 "EC800E-CN" EC800E-CN 238.023,109.763 r270 top
U2 "EC800E-CN" EC800E-CN 199.523,262.763 r270 top
U2 "EC800E-CN" EC800E-CN 199.523,211.763 r270 top
U2 "EC800E-CN" EC800E-CN 199.523,160.763 r270 top
U2 "EC800E-CN" EC800E-CN 199.523,109.763 r270 top
U2 "EC800E-CN" EC800E-CN 161.023,262.763 r270 top
U2 "EC800E-CN" EC800E-CN 161.023,211.763 r270 top
U2 "EC800E-CN" EC800E-CN 161.023,160.763 r270 top
U2 "EC800E-CN" EC800E-CN 161.023,109.763 r270 top
U2 "EC800E-CN" EC800E-CN 122.523,262.763 r270 top
U2 "EC800E-CN" EC800E-CN 122.523,211.763 r270 top
U2 "EC800E-CN" EC800E-CN 122.523,160.763 r270 top
U2 "EC800E-CN" EC800E-CN 122.523,109.763 r270 top
U2 "EC800E-CN" EC800E-CN 84.023,262.763 r270 top
U2 "EC800E-CN" EC800E-CN 84.023,211.763 r270 top
U2 "EC800E-CN" EC800E-CN 84.023,160.763 r270 top
U2 "EC800E-CN" EC800E-CN 84.023,109.763 r270 top
U3 "ANT" SMA-KWE/弯头 251.104,273.406 r0 top
U3 "ANT" SMA-KWE/弯头 251.104,222.406 r0 top
U3 "ANT" SMA-KWE/弯头 251.104,171.406 r0 top
U3 "ANT" SMA-KWE/弯头 251.104,120.406 r0 top
U3 "ANT" SMA-KWE/弯头 212.604,273.406 r0 top
U3 "ANT" SMA-KWE/弯头 212.604,222.406 r0 top
U3 "ANT" SMA-KWE/弯头 212.604,171.406 r0 top
U3 "ANT" SMA-KWE/弯头 212.604,120.406 r0 top
U3 "ANT" SMA-KWE/弯头 174.104,273.406 r0 top
U3 "ANT" SMA-KWE/弯头 174.104,222.406 r0 top
U3 "ANT" SMA-KWE/弯头 174.104,171.406 r0 top
U3 "ANT" SMA-KWE/弯头 174.104,120.406 r0 top
U3 "ANT" SMA-KWE/弯头 135.604,273.406 r0 top
U3 "ANT" SMA-KWE/弯头 135.604,222.406 r0 top
U3 "ANT" SMA-KWE/弯头 135.604,171.406 r0 top
U3 "ANT" SMA-KWE/弯头 135.604,120.406 r0 top
U3 "ANT" SMA-KWE/弯头 97.104,273.406 r0 top
U3 "ANT" SMA-KWE/弯头 97.104,222.406 r0 top
U3 "ANT" SMA-KWE/弯头 97.104,171.406 r0 top
U3 "ANT" SMA-KWE/弯头 97.104,120.406 r0 top

## Footprints (in the part's own frame and the unit in brackets; to place one, negate y for a bottom-side part, rotate by r counter-clockwise, add the part's x,y. Pads: shape width x height; smd on the part's side, far side on the other; paste and mask are expansions set on the pad)
0603_C [mil] "电容"
  rect 30x30 smd: 1(-27,0) 2(27.5,-0.06)
  silkscreen extent -50,-20 50,20
0603_D [mil] "贴片发光二极管"
  rect 30x30 smd: 1(-27,0) 2(27.5,-0.06)
  silkscreen extent -50,-20 52,20
0603_R [mil] "电阻"
  rect 30x30 smd: 1(-27,0) 2(27.5,-0.06)
  silkscreen extent -50,-20 50,20
CASE-B_3528 [mm]
  rect 1.8x2.6 smd: 1(0,0) 2(-3.002,0)
  silkscreen extent -3.3,-1.65 1.23,1.65
EC800E-CN [mm] "EC800E-CN Moudle 109PIN 15.8X17.7mm H2.4mm RO"
  oval 2.3x0.6 smd mask+0.05: 1(7.75,6.6) 2(7.75,5.5) 3(7.75,4.4) 4(7.75,3.3) 5(7.75,2.2) 6(7.75,1.1) 7(7.75,0) 8(7.75,-1.1) 9(7.75,-2.2) 10(7.75,-3.3) 11(7.75,-4.4) 12(7.75,-5.5) 13(7.75,-6.6) 23(-7.75,-6.6) 24(-7.75,-5.5) 25(-7.75,-4.4) 26(-7.75,-3.3) 27(-7.75,-2.2) 28(-7.75,-1.1) 29(-7.75,0) 30(-7.75,1.1) 31(-7.75,2.2) 32(-7.75,3.3) 33(-7.75,4.4) 34(-7.75,5.5) 35(-7.75,6.6)
  oval 0.6x2.3 smd mask+0.05: 14(4.4,-8.7) 15(3.3,-8.7) 16(2.2,-8.7) 17(1.1,-8.7) 18(0,-8.7) 19(-1.1,-8.7) 20(-2.2,-8.7) 21(-3.3,-8.7) 22(-4.4,-8.7) 36(-4.4,8.7) 37(-3.3,8.7) 38(-2.2,8.7) 39(-1.1,8.7) 40(0,8.7) 41(1.1,8.7) 42(2.2,8.7) 43(3.3,8.7) 44(4.4,8.7) 95(5.5,-8.7) 96(-5.5,-8.7) 97(-5.5,8.7) 98(5.5,8.7)
  rect 1x0.7 smd mask+0.05: 45(5,4.8) 46(5,3.6) 47(5,2.4) 48(5,1.2) 49(5,0) 50(5,-1.2) 51(5,-2.4) 52(5,-3.6) 53(5,-4.8) 59(-5,-4.8) 60(-5,-3.6) 61(-5,-2.4) 62(-5,-1.2) 63(-5,0) 64(-5,1.2) 65(-5,2.4) 66(-5,3.6) 67(-5,4.8) 73(3.2,4.2) 74(3.2,3) 75(3.2,1.8) 76(3.2,0.6) 77(3.2,-0.6) 78(3.2,-1.8) 79(3.2,-3) 80(3.2,-4.2) 81(-3.2,-4.2) 82(-3.2,-3) 83(-3.2,-1.8) 84(-3.2,-0.6) 85(-3.2,0.6) 86(-3.2,1.8) 87(-3.2,3) 88(-3.2,4.2) 99(5,6) 100(5,-6) 103(-5,-6) 104(-5,6)
  rect 0.7x1 smd mask+0.05: 54(2.4,-5.95) 55(1.2,-5.95) 56(0,-5.95) 57(-1.2,-5.95) 58(-2.4,-5.95) 68(-2.4,5.95) 69(-1.2,5.95) 70(0,5.95) 71(1.2,5.95) 72(2.4,5.95) 101(3.6,-5.95) 102(-3.6,-5.95) 105(-3.6,5.95) 106(3.6,5.95) 107(1.2,-4.15) 108(0,-4.15) 109(-1.2,-4.15)
  rect 1.3x1.3 smd mask+0.05: 89(0.9,1.8) 90(-0.9,1.8) 91(0.9,0) 92(-0.9,0) 93(0.9,-1.8) 94(-0.9,-1.8)
  body extent -7.9,-8.85 7.9,8.85, height 3.81
HDR2X6_CEN [mm] "Connector; Header; 6x2 Position"
  rect 1.5x1.5 hole 0.9: 1(0,0)
  round 1.5 hole 0.9: 2(2.54,0) 3(5.08,0) 4(7.62,0) 5(10.16,0) 6(12.7,0) 7(0,2.54) 8(2.54,2.54) 9(5.08,2.54) 10(7.62,2.54) 11(10.16,2.54) 12(12.7,2.54)
  silkscreen extent -1.27,-1.27 13.97,3.81
HDR2X10_CEN [mm] "Connector; Header; 10x2 Position"
  rect 1.5x1.5 hole 0.9: 1(0,0)
  round 1.5 hole 0.9: 2(2.54,0) 3(5.08,0) 4(7.62,0) 5(10.16,0) 6(12.7,0) 7(15.24,0) 8(17.78,0) 9(20.32,0) 10(22.86,0) 11(0,-2.54) 12(2.54,-2.54) 13(5.08,-2.54) 14(7.62,-2.54) 15(10.16,-2.54) 16(12.7,-2.54) 17(15.24,-2.54) 18(17.78,-2.54) 19(20.32,-2.54) 20(22.86,-2.54)
SIM卡座-NANO掀盖式 [mm]
  rect 1.8x1.3 smd: 0(-6.451,5.853) 0(-6.451,-5.853) 0(2.349,5.853) 0(2.349,-5.853)
  rect 1.2x0.9 smd: 1(6.451,3.173) 2(6.451,0.633) 3(6.451,-1.907) 4(6.451,1.903) 5(6.451,-0.637) 6(6.451,-3.177)
  silkscreen extent -7.52,-5.72 6.45,5.72
SMA-KWE/弯头 [mm] "总长14.5mm/牙长8.5mm"
  rect 2.2x2.2 hole 1.35: 0(0,0) 0(0,5.08) 0(5.08,0) 0(5.08,5.08)
  round 2.2 hole 1.1: 1(2.54,2.54)
  silkscreen extent -1.32,-1.35 6.4,6.4
SOD-523 [mm]
  rect 0.6x0.6 smd: 1(-0.8,0) 2(0.8,0)
  silkscreen extent -0.65,-0.45 0.65,0.45
SOT-23-3 [mm]
  rect 0.9x0.95 smd: 1(-0.95,-1.175) 2(0.95,-1.175) 3(0,1.175)
  silkscreen extent -1.3,-0.35 1.3,1.18

## Text inside footprints (layer, text, board x,y; h text height)
U2: Mechanical 5 "94" at 120.723,263.583 h0.1 r270; Mechanical 5 "92" at 122.523,263.583 h0.1 r270; Mechanical 5 "90" at 124.323,263.583 h0.1 r270; Mechanical 5 "93" at 120.723,261.783 h0.1 r270; Mechanical 5 "91" at 122.523,261.783 h0.1 r270; Mechanical 5 "89" at 124.323,261.783 h0.1 r270; Mechanical 5 "79" at 119.523,259.483 h0.1 r270; Mechanical 5 "82" at 119.523,265.883 h0.1 r270; Mechanical 5 "109" at 118.373,263.843 h0.1 r270; Mechanical 5 "81" at 118.323,265.883 h0.1 r270; Mechanical 5 "83" at 120.723,265.883 h0.1 r270; Mechanical 5 "84" at 121.923,265.883 h0.1 r270; Mechanical 5 "85" at 123.123,265.883 h0.1 r270; Mechanical 5 "86" at 124.323,265.883 h0.1 r270; Mechanical 5 "87" at 125.523,265.883 h0.1 r270; Mechanical 5 "108" at 118.373,262.643 h0.1 r270; Mechanical 5 "107" at 118.373,261.443 h0.1 r270; Mechanical 5 "80" at 118.323,259.483 h0.1 r270; Mechanical 5 "78" at 120.723,259.483 h0.1 r270; Mechanical 5 "77" at 121.923,259.483 h0.1 r270; Mechanical 5 "76" at 123.123,259.483 h0.1 r270; Mechanical 5 "75" at 124.323,259.483 h0.1 r270; Mechanical 5 "74" at 125.523,259.483 h0.1 r270; Mechanical 5 "88" at 126.723,265.883 h0.1 r270; Mechanical 5 "73" at 126.723,259.483 h0.1 r270; Mechanical 5 "61" at 120.123,267.683 h0.1 r270; Mechanical 5 "59" at 117.723,267.683 h0.1 r270; Mechanical 5 "60" at 118.923,267.683 h0.1 r270; Mechanical 5 "102" at 116.573,266.243 h0.1 r270; Mechanical 5 "58" at 116.573,265.083 h0.1 r270; Mechanical 5 "57" at 116.573,263.883 h0.1 r270; Mechanical 5 "56" at 116.573,262.683 h0.1 r270; Mechanical 5 "55" at 116.573,261.483 h0.1 r270; Mechanical 5 "54" at 116.573,260.283 h0.1 r270; Mechanical 5 "101" at 116.573,259.043 h0.1 r270; Mechanical 5 "105" at 128.473,266.243 h0.1 r270; Mechanical 5 "68" at 128.473,265.083 h0.1 r270; Mechanical 5 "69" at 128.473,263.883 h0.1 r270; Mechanical 5 "106" at 128.473,259.043 h0.1 r270; Mechanical 5 "103" at 116.523,267.643 h0.1 r270; Mechanical 5 "62" at 121.323,267.683 h0.1 r270; Mechanical 5 "63" at 122.523,267.683 h0.1 r270; Mechanical 5 "64" at 123.723,267.683 h0.1 r270; Mechanical 5 "65" at 124.923,267.683 h0.1 r270; Mechanical 5 "104" at 128.523,267.643 h0.1 r270; Mechanical 5 "100" at 116.523,257.643 h0.1 r270; Mechanical 5 "53" at 117.723,257.683 h0.1 r270; Mechanical 5 "52" at 118.923,257.683 h0.1 r270; Mechanical 5 "51" at 120.123,257.683 h0.1 r270; Mechanical 5 "50" at 121.323,257.683 h0.1 r270; Mechanical 5 "49" at 122.523,257.683 h0.1 r270; Mechanical 5 "99" at 128.523,257.683 h0.1 r270; Mechanical 5 "66" at 126.123,267.683 h0.1 r270; Mechanical 5 "67" at 127.323,267.683 h0.1 r270; Mechanical 5 "45" at 127.323,257.683 h0.1 r270; Mechanical 5 "70" at 128.473,262.683 h0.1 r270; Mechanical 5 "71" at 128.473,261.483 h0.1 r270; Mechanical 5 "72" at 128.473,260.283 h0.1 r270; Mechanical 5 "48" at 123.723,257.683 h0.1 r270; Mechanical 5 "47" at 124.923,257.683 h0.1 r270; Mechanical 5 "46" at 126.123,257.683 h0.1 r270; Mechanical 5 "24" at 117.023,270.433 h0.1 r270; Mechanical 5 "42" at 131.223,260.483 h0.1 r270; Mechanical 5 "43" at 131.223,259.383 h0.1 r270; Mechanical 5 "14" at 113.823,258.283 h0.1 r270; Mechanical 5 "12" at 117.023,254.933 h0.1 r270; Mechanical 5 "11" at 118.123,254.933 h0.1 r270; Mechanical 5 "13" at 115.923,254.933 h0.1 r270; Mechanical 5 "25" at 118.123,270.433 h0.1 r270; Mechanical 5 "15" at 113.823,259.383 h0.1 r270; Mechanical 5 "97" at 131.223,268.183 h0.1 r270; Mechanical 5 "44" at 131.223,258.283 h0.1 r270; Mechanical 5 "26" at 119.223,270.433 h0.1 r270; Mechanical 5 "9" at 120.323,254.973 h0.1 r270; Mechanical 5 "8" at 121.423,254.973 h0.1 r270; Mechanical 5 "6" at 123.623,254.973 h0.1 r270; Mechanical 5 "5" at 124.723,254.973 h0.1 r270; Mechanical 5 "4" at 125.823,254.973 h0.1 r270; Mechanical 5 "96" at 113.823,268.183 h0.1 r270; Mechanical 5 "95" at 113.823,257.183 h0.1 r270; Mechanical 5 "3" at 126.923,254.973 h0.1 r270; Mechanical 5 "7" at 122.523,254.973 h0.1 r270; Mechanical 5 "31" at 124.723,270.433 h0.1 r270; Mechanical 5 "33" at 126.923,270.433 h0.1 r270; Mechanical 5 "32" at 125.823,270.433 h0.1 r270; Mechanical 5 "30" at 123.623,270.433 h0.1 r270; Mechanical 5 "16" at 113.823,260.483 h0.1 r270; Mechanical 5 "18" at 113.823,262.683 h0.1 r270; Mechanical 5 "17" at 113.823,261.583 h0.1 r270; Mechanical 5 "23" at 115.923,270.433 h0.1 r270; Mechanical 5 "20" at 113.823,264.883 h0.1 r270; Mechanical 5 "19" at 113.823,263.783 h0.1 r270; Mechanical 5 "21" at 113.823,265.983 h0.1 r270; Mechanical 5 "22" at 113.823,267.083 h0.1 r270; Mechanical 5 "36" at 131.223,267.083 h0.1 r270; Mechanical 5 "37" at 131.223,265.983 h0.1 r270; Mechanical 5 "40" at 131.223,262.683 h0.1 r270; Mechanical 5 "41" at 131.223,261.583 h0.1 r270; Mechanical 5 "27" at 120.323,270.433 h0.1 r270; Mechanical 5 "34" at 128.023,270.433 h0.1 r270; Mechanical 5 "10" at 119.223,254.933 h0.1 r270; Mechanical 5 "1" at 129.123,254.973 h0.1 r270; Mechanical 5 "39" at 131.223,263.783 h0.1 r270; Mechanical 5 "38" at 131.223,264.883 h0.1 r270; Mechanical 5 "29" at 122.523,270.433 h0.1 r270; Mechanical 5 "28" at 121.423,270.433 h0.1 r270; Mechanical 5 "98" at 131.223,257.183 h0.1 r270; Mechanical 5 "35" at 129.123,270.433 h0.1 r270; Mechanical 5 "2" at 128.023,254.973 h0.1 r270
U2: Mechanical 5 "94" at 120.723,212.583 h0.1 r270; Mechanical 5 "92" at 122.523,212.583 h0.1 r270; Mechanical 5 "90" at 124.323,212.583 h0.1 r270; Mechanical 5 "93" at 120.723,210.783 h0.1 r270; Mechanical 5 "91" at 122.523,210.783 h0.1 r270; Mechanical 5 "89" at 124.323,210.783 h0.1 r270; Mechanical 5 "79" at 119.523,208.483 h0.1 r270; Mechanical 5 "82" at 119.523,214.883 h0.1 r270; Mechanical 5 "109" at 118.373,212.843 h0.1 r270; Mechanical 5 "81" at 118.323,214.883 h0.1 r270; Mechanical 5 "83" at 120.723,214.883 h0.1 r270; Mechanical 5 "84" at 121.923,214.883 h0.1 r270; Mechanical 5 "85" at 123.123,214.883 h0.1 r270; Mechanical 5 "86" at 124.323,214.883 h0.1 r270; Mechanical 5 "87" at 125.523,214.883 h0.1 r270; Mechanical 5 "108" at 118.373,211.643 h0.1 r270; Mechanical 5 "107" at 118.373,210.443 h0.1 r270; Mechanical 5 "80" at 118.323,208.483 h0.1 r270; Mechanical 5 "78" at 120.723,208.483 h0.1 r270; Mechanical 5 "77" at 121.923,208.483 h0.1 r270; Mechanical 5 "76" at 123.123,208.483 h0.1 r270; Mechanical 5 "75" at 124.323,208.483 h0.1 r270; Mechanical 5 "74" at 125.523,208.483 h0.1 r270; Mechanical 5 "88" at 126.723,214.883 h0.1 r270; Mechanical 5 "73" at 126.723,208.483 h0.1 r270; Mechanical 5 "61" at 120.123,216.683 h0.1 r270; Mechanical 5 "59" at 117.723,216.683 h0.1 r270; Mechanical 5 "60" at 118.923,216.683 h0.1 r270; Mechanical 5 "102" at 116.573,215.243 h0.1 r270; Mechanical 5 "58" at 116.573,214.083 h0.1 r270; Mechanical 5 "57" at 116.573,212.883 h0.1 r270; Mechanical 5 "56" at 116.573,211.683 h0.1 r270; Mechanical 5 "55" at 116.573,210.483 h0.1 r270; Mechanical 5 "54" at 116.573,209.283 h0.1 r270; Mechanical 5 "101" at 116.573,208.043 h0.1 r270; Mechanical 5 "105" at 128.473,215.243 h0.1 r270; Mechanical 5 "68" at 128.473,214.083 h0.1 r270; Mechanical 5 "69" at 128.473,212.883 h0.1 r270; Mechanical 5 "106" at 128.473,208.043 h0.1 r270; Mechanical 5 "103" at 116.523,216.643 h0.1 r270; Mechanical 5 "62" at 121.323,216.683 h0.1 r270; Mechanical 5 "63" at 122.523,216.683 h0.1 r270; Mechanical 5 "64" at 123.723,216.683 h0.1 r270; Mechanical 5 "65" at 124.923,216.683 h0.1 r270; Mechanical 5 "104" at 128.523,216.643 h0.1 r270; Mechanical 5 "100" at 116.523,206.643 h0.1 r270; Mechanical 5 "53" at 117.723,206.683 h0.1 r270; Mechanical 5 "52" at 118.923,206.683 h0.1 r270; Mechanical 5 "51" at 120.123,206.683 h0.1 r270; Mechanical 5 "50" at 121.323,206.683 h0.1 r270; Mechanical 5 "49" at 122.523,206.683 h0.1 r270; Mechanical 5 "99" at 128.523,206.683 h0.1 r270; Mechanical 5 "66" at 126.123,216.683 h0.1 r270; Mechanical 5 "67" at 127.323,216.683 h0.1 r270; Mechanical 5 "45" at 127.323,206.683 h0.1 r270; Mechanical 5 "70" at 128.473,211.683 h0.1 r270; Mechanical 5 "71" at 128.473,210.483 h0.1 r270; Mechanical 5 "72" at 128.473,209.283 h0.1 r270; Mechanical 5 "48" at 123.723,206.683 h0.1 r270; Mechanical 5 "47" at 124.923,206.683 h0.1 r270; Mechanical 5 "46" at 126.123,206.683 h0.1 r270; Mechanical 5 "24" at 117.023,219.433 h0.1 r270; Mechanical 5 "42" at 131.223,209.483 h0.1 r270; Mechanical 5 "43" at 131.223,208.383 h0.1 r270; Mechanical 5 "14" at 113.823,207.283 h0.1 r270; Mechanical 5 "12" at 117.023,203.933 h0.1 r270; Mechanical 5 "11" at 118.123,203.933 h0.1 r270; Mechanical 5 "13" at 115.923,203.933 h0.1 r270; Mechanical 5 "25" at 118.123,219.433 h0.1 r270; Mechanical 5 "15" at 113.823,208.383 h0.1 r270; Mechanical 5 "97" at 131.223,217.183 h0.1 r270; Mechanical 5 "44" at 131.223,207.283 h0.1 r270; Mechanical 5 "26" at 119.223,219.433 h0.1 r270; Mechanical 5 "9" at 120.323,203.973 h0.1 r270; Mechanical 5 "8" at 121.423,203.973 h0.1 r270; Mechanical 5 "6" at 123.623,203.973 h0.1 r270; Mechanical 5 "5" at 124.723,203.973 h0.1 r270; Mechanical 5 "4" at 125.823,203.973 h0.1 r270; Mechanical 5 "96" at 113.823,217.183 h0.1 r270; Mechanical 5 "95" at 113.823,206.183 h0.1 r270; Mechanical 5 "3" at 126.923,203.973 h0.1 r270; Mechanical 5 "7" at 122.523,203.973 h0.1 r270; Mechanical 5 "31" at 124.723,219.433 h0.1 r270; Mechanical 5 "33" at 126.923,219.433 h0.1 r270; Mechanical 5 "32" at 125.823,219.433 h0.1 r270; Mechanical 5 "30" at 123.623,219.433 h0.1 r270; Mechanical 5 "16" at 113.823,209.483 h0.1 r270; Mechanical 5 "18" at 113.823,211.683 h0.1 r270; Mechanical 5 "17" at 113.823,210.583 h0.1 r270; Mechanical 5 "23" at 115.923,219.433 h0.1 r270; Mechanical 5 "20" at 113.823,213.883 h0.1 r270; Mechanical 5 "19" at 113.823,212.783 h0.1 r270; Mechanical 5 "21" at 113.823,214.983 h0.1 r270; Mechanical 5 "22" at 113.823,216.083 h0.1 r270; Mechanical 5 "36" at 131.223,216.083 h0.1 r270; Mechanical 5 "37" at 131.223,214.983 h0.1 r270; Mechanical 5 "40" at 131.223,211.683 h0.1 r270; Mechanical 5 "41" at 131.223,210.583 h0.1 r270; Mechanical 5 "27" at 120.323,219.433 h0.1 r270; Mechanical 5 "34" at 128.023,219.433 h0.1 r270; Mechanical 5 "10" at 119.223,203.933 h0.1 r270; Mechanical 5 "1" at 129.123,203.973 h0.1 r270; Mechanical 5 "39" at 131.223,212.783 h0.1 r270; Mechanical 5 "38" at 131.223,213.883 h0.1 r270; Mechanical 5 "29" at 122.523,219.433 h0.1 r270; Mechanical 5 "28" at 121.423,219.433 h0.1 r270; Mechanical 5 "98" at 131.223,206.183 h0.1 r270; Mechanical 5 "35" at 129.123,219.433 h0.1 r270; Mechanical 5 "2" at 128.023,203.973 h0.1 r270